# Altium PCB PROC114E3_BRD.PcbDoc (part 6 of 18)
Units mm, origin at the board's own origin, x right, y up, seen from the top; angles counter-clockwise.
Board outline 85 x 155.18 mm, 10 copper layers (TOP, L02_GND1, L03_SIG1, L04_GND2, L05_PWR1, L06_PWR2, L07_GND3, L08_SIG2, L09_GND4, BOTTOM), stack 1.134 mm thick; 1389 components, 1010 nets, 5137 pads, 3263 vias.
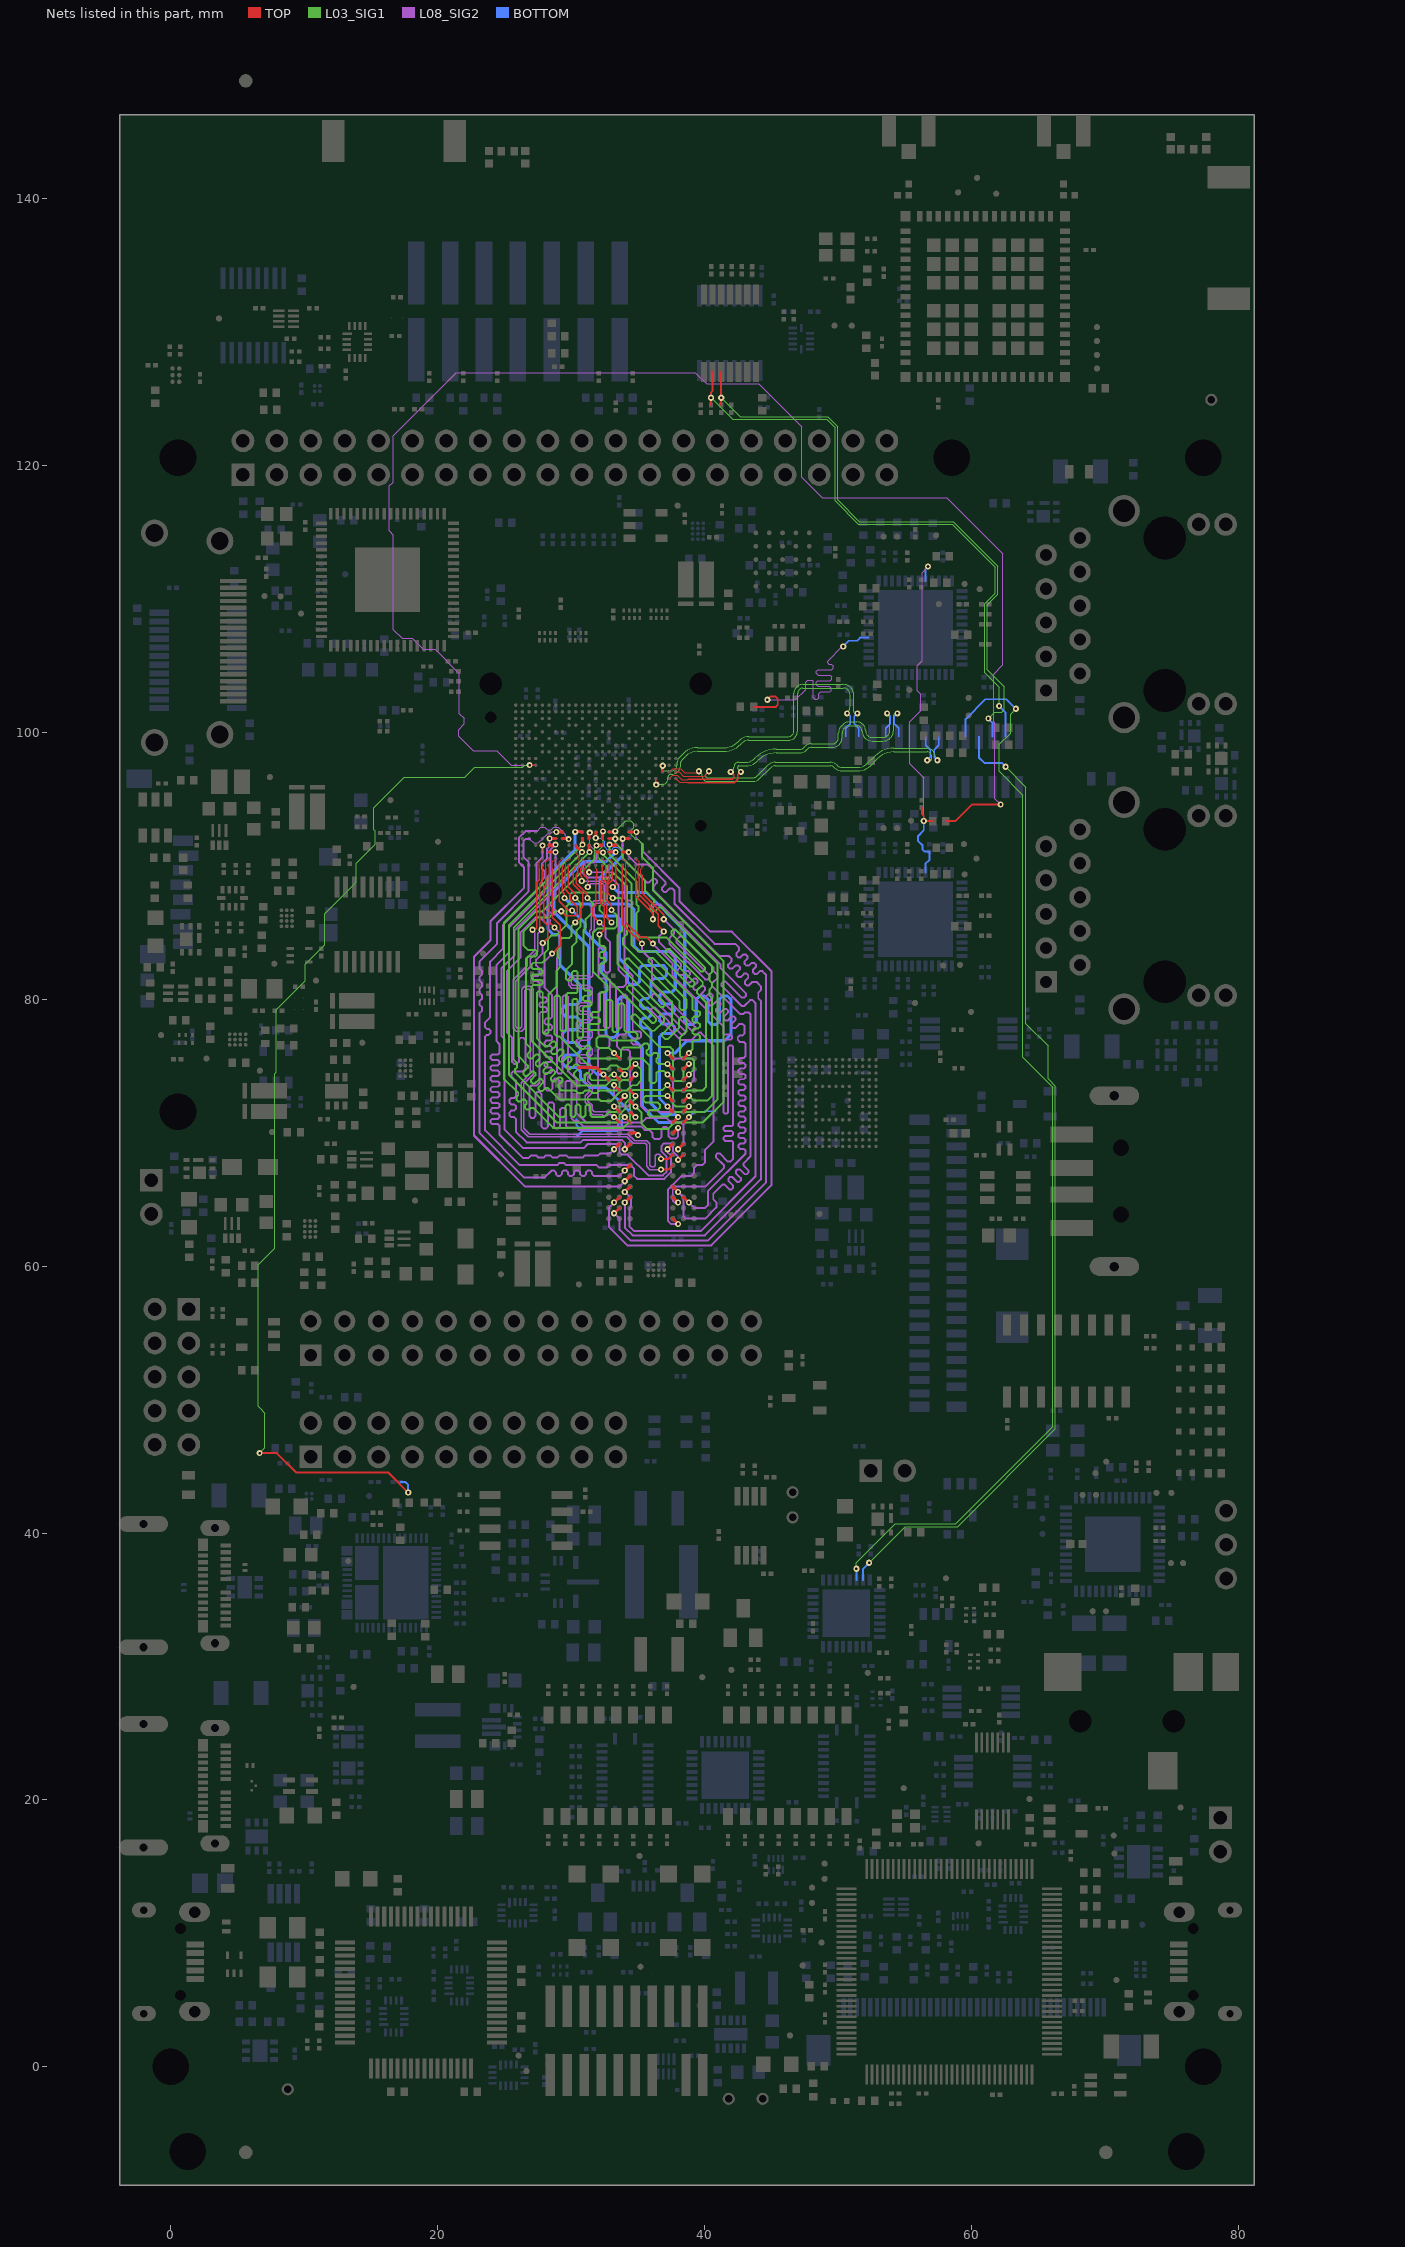
[diagram p14: the nets of this part, all layers, seen from the top]

## Via types
v1: diameter 0.457, hole 0.203, TOP to BOTTOM, 3263 vias

## Nets (pads, with @x,y where several pads share a name; then routed paths per layer and width w, separated by ;. In a path a pad name is that pad's centre, name@x,y a point inside that pad or via, vN(x,y) a via of type N, cw(c..) or ccw(c..) an arc to the next point about the centre after c; other vN are vias at no path point) (continued)
CPSW_RGMII2_TXC:  | length 21.1
  TOP w0.147: 43.684,101.915 45.349,101.915 45.496,102.062 45.496,102.527 45.321,102.702 44.972,102.702 v1(44.718,102.448)
  L08_SIG2 w0.091: v1(44.718,102.448) 46.826,102.448 47.588,103.211 47.588,103.773 47.733,103.918 48.073,103.918 48.165,103.826 48.165,102.599 48.288,102.476 48.461,102.476 48.584,102.599 48.584,102.915 48.707,103.038 49.403,103.038 49.494,103.129 49.494,103.325 49.372,103.448 48.541,103.448 48.397,103.592 48.397,103.766 48.498,103.867 49.419,103.867 49.539,103.987 49.539,104.161 49.414,104.286 48.541,104.286 48.397,104.43 48.397,104.582 48.52,104.705 49.537,104.705 49.643,104.811 49.643,104.986 49.514,105.115 49.324,105.115 49.232,105.207 49.232,105.337 50.34,106.444 v1(50.404,106.445)
  BOTTOM w0.147: v1(50.404,106.445) 50.83,106.87 51.447,106.87 51.674,107.097 52.316,107.097
CPSW_RGMII_INTN:  | length 27.9
  TOP w0.147: 56.302,94.366 56.302,93.897 56.44,93.759 v1(56.44,93.355) 57.1,93.355
  L08_SIG2 w0.091: v1(56.44,93.355) 56.44,96.62 55.408,97.652 55.408,100.802 56.225,101.619 56.225,102.851 55.955,103.122 55.955,105.003 56.311,105.358 56.311,111.984 v1(56.758,112.431)
  BOTTOM w0.147: v1(56.44,93.355) 56.44,92.657 56.021,92.238 56.021,91.857 56.351,91.526 56.351,91.207 56.498,91.06 56.859,91.06 56.859,90.434 56.567,90.142 56.567,89.503 ; 56.567,111.347 56.567,112.24 v1(56.758,112.431)
CPSW_RGMII_INTN/PRU_INTN:  | length 191.2
  TOP w0.102: v1(26.901,97.545) 27.361,97.545
  TOP w0.147: v1(6.669,45.984) 7.964,45.984 9.412,44.536 16.301,44.536 v1(17.803,43.035) ; 58.08,93.355 58.813,93.355 60.061,94.604 v1(62.206,94.604)
  L03_SIG1 w0.091: v1(6.669,45.984) 7.061,46.377 7.061,48.984 6.674,49.371 6.561,49.484 6.561,60.097 7.791,61.328 7.791,74.41 7.908,74.527 7.908,79.219 10.081,81.392 10.081,82.62 11.544,84.083 11.544,86.423 13.908,88.787 13.908,90.198 15.32,91.61 15.32,92.635 15.234,92.721 15.234,94.356 17.514,96.637 22.041,96.637 22.798,97.394 26.379,97.394 26.531,97.545 v1(26.901,97.545)
  L08_SIG2 w0.091: v1(26.901,97.545) 25.523,97.545 24.443,98.624 22.659,98.624 21.576,99.707 21.576,100.214 21.995,100.633 21.995,101.05 21.646,101.398 21.646,104.393 19.82,106.219 18.941,106.219 18.11,107.05 17.349,107.05 16.692,107.707 16.692,114.791 16.383,115.1 16.383,118.478 16.672,118.767 16.672,122.249 21.397,126.975 39.315,126.975 40.162,126.128 44.062,126.128 47.282,122.907 47.282,119.131 48.822,117.591 58.172,117.591 62.376,113.387 62.376,105.06 61.685,104.369 61.685,100.786 61.777,100.694 61.777,95.033 v1(62.206,94.604)
  BOTTOM w0.147: 17.228,43.825 17.591,43.825 17.803,43.613 v1(17.803,43.035)
CSI0_RXCLKN:  | length 24.2
  TOP w0.081: 37.361,97.045 37.612,97.296 38.228,97.296 38.527,96.996 39.502,96.996 39.583,97.078 v1(39.583,97.09)
  L03_SIG1 w0.081: v1(39.583,97.09) 39.804,96.869 cw(c39.746,96.812) 39.828,96.812 39.828,96.73 ccw(c40.224,96.73) 40.224,96.335 43.677,96.335 ccw(c43.677,96.975) 44.129,96.522 44.956,97.349 cw(c45.327,96.978) 45.328,97.503 49.415,97.503 cw(c49.415,97.087) 49.709,97.381 49.747,97.343 ccw(c50.299,97.895) 50.299,97.114 51.471,97.114 ccw(c51.471,98.499) 52.449,97.519 52.966,98.036 cw(c54.193,96.808) 54.193,98.544 56.694,98.544 cw(c56.694,98.201) 57.038,98.201 57.038,98.057 cw(c56.839,98.057) v1(56.699,97.917)
  BOTTOM w0.108: 56.58,99.675 56.58,99.055 56.935,98.7 56.935,98.153 v1(56.699,97.917)
CSI0_RXCLKP:  | length 24.2
  TOP w0.081: 37.86,97.045 38.107,97.045 38.419,96.733 39.988,96.733 v1(40.345,97.09)
  L03_SIG1 w0.081: v1(40.345,97.09) 40.124,96.869 ccw(c40.181,96.812) 40.1,96.812 40.1,96.73 ccw(c40.224,96.73) 40.224,96.606 43.677,96.606 ccw(c43.677,96.974) 43.937,96.714 44.764,97.542 cw(c45.327,96.978) 45.328,97.775 49.415,97.775 cw(c49.415,97.087) 49.901,97.573 49.939,97.535 ccw(c50.299,97.895) 50.299,97.386 51.471,97.386 ccw(c51.471,98.498) 52.257,97.712 52.774,98.228 cw(c54.193,96.808) 54.193,98.816 56.694,98.816 cw(c56.694,98.201) 57.31,98.201 ccw(c57.63,98.201) 57.403,97.974 v1(57.461,97.917)
  BOTTOM w0.108: v1(57.461,97.917) 57.224,98.153 57.224,98.7 57.58,99.056 57.58,99.675
CSI0_RXN0:  | length 23.8
  TOP w0.108: 36.36,96.545 36.36,96.118 v1(36.39,96.088)
  L03_SIG1 w0.081: v1(36.39,96.088) cw(c36.476,96.002) 36.476,96.124 36.92,96.124 ccw(c36.92,96.454) 37.25,96.454 37.25,96.606 cw(c37.504,96.606) 37.504,96.86 ccw(c37.504,97.597) 38.241,97.597 38.241,97.781 cw(c38.41,97.781) 38.291,97.9 38.615,98.224 cw(c39.486,97.353) 39.486,98.585 41.441,98.585 ccw(c41.442,100.419) 42.738,99.122 42.813,99.197 cw(c43.322,98.688) 43.322,99.408 46.27,99.408 ccw(c46.27,100.117) 46.979,100.117 46.979,102.922 cw(c47.381,102.922) 47.381,103.325 50.414,103.325 cw(c50.414,102.82) 50.919,102.82 50.919,101.964 cw(c50.169,101.964) v1(50.699,101.434)
  BOTTOM w0.108: 50.58,99.675 50.58,100.295 50.935,100.65 50.935,101.197 v1(50.699,101.434)
CSI0_RXN1:  | length 23.8
  TOP w0.081: 37.361,96.545 37.611,96.795 37.982,96.795 38.314,96.463 38.721,96.463 38.759,96.501 38.779,96.501
  TOP w0.108: 38.779,96.501 42.1,96.501 42.208,96.609 42.208,96.811 v1(41.972,97.047)
  L03_SIG1 w0.081: v1(41.972,97.047) 42.193,97.268 ccw(c42.135,97.326) 42.217,97.326 42.217,97.407 cw(c42.57,97.407) 42.57,97.76 43.105,97.76 ccw(c43.105,98.677) 43.753,98.029 43.818,98.094 cw(c45.378,96.532) 45.378,98.74 47.171,98.74 ccw(c47.171,99.148) 47.459,98.859 47.566,98.967 cw(c47.999,98.534) 47.999,99.146 49.576,99.146 ccw(c49.576,99.612) 50.042,99.612 50.042,99.951 cw(c50.789,99.952) 50.261,100.48 50.364,100.583 cw(c50.86,100.087) 50.859,100.788 51.426,100.788 cw(c51.426,100.138) 52.077,100.138 ccw(c52.593,100.137) 52.593,99.621 53.366,99.621 ccw(c53.366,100.162) 53.907,100.162 53.907,100.945 ccw(c53.229,100.945) 53.709,101.424 v1(53.699,101.434)
  BOTTOM w0.108: 53.58,99.675 53.58,100.295 53.935,100.65 53.935,101.197 v1(53.699,101.434)
CSI0_RXP0:  | length 23.8
  TOP w0.108: 36.861,97.046 36.861,97.487 v1(36.876,97.502)
  L03_SIG1 w0.081: v1(36.876,97.502) 36.817,97.443 ccw(c36.946,97.314) 36.946,97.132 37.504,97.132 ccw(c37.504,97.597) 37.969,97.597 37.969,97.781 cw(c38.41,97.781) 38.098,98.093 38.423,98.417 cw(c39.485,97.353) 39.485,98.857 41.441,98.857 ccw(c41.441,100.419) 42.546,99.315 42.621,99.389 cw(c43.322,98.688) 43.322,99.68 46.27,99.68 ccw(c46.27,100.117) 46.707,100.117 46.707,102.922 cw(c47.381,102.922) 47.381,103.596 50.414,103.596 cw(c50.414,102.82) 51.19,102.82 51.19,101.604 ccw(c51.361,101.604) 51.361,101.434 v1(51.461,101.434)
  BOTTOM w0.108: v1(51.461,101.434) 51.225,101.197 51.225,100.65 51.58,100.295 51.58,99.675
CSI0_RXP1:  | length 23.8
  TOP w0.081: 37.86,96.545 38.155,96.25 38.721,96.25 38.759,96.212 38.779,96.212
  TOP w0.108: 38.779,96.212 42.22,96.212 42.498,96.489 42.498,96.811 v1(42.734,97.047)
  L03_SIG1 w0.081: v1(42.734,97.047) 42.512,97.268 cw(c42.57,97.326) 42.489,97.326 42.489,97.407 cw(c42.57,97.407) 42.57,97.489 43.105,97.489 ccw(c43.105,98.677) 43.945,97.836 44.01,97.901 cw(c45.379,96.532) 45.378,98.468 47.171,98.468 ccw(c47.171,99.148) 47.651,98.667 47.759,98.775 cw(c48,98.534) 48,98.875 49.576,98.875 ccw(c49.576,99.612) 50.314,99.612 50.314,99.952 cw(c50.789,99.952) 50.453,100.288 50.556,100.391 cw(c50.86,100.087) 50.86,100.517 51.426,100.517 cw(c51.426,100.138) 51.805,100.138 ; 51.805,100.137 ccw(c52.593,100.138) 52.593,99.35 53.366,99.35 ccw(c53.366,100.162) 54.179,100.162 54.179,101.236 cw(c54.377,101.236) 54.377,101.434 v1(54.461,101.434)
  BOTTOM w0.108: v1(54.461,101.434) 54.225,101.197 54.225,100.65 54.58,100.295 54.58,99.675
CSI_GPIO1:  | length 82.2
  L03_SIG1 w0.091: v1(51.392,37.322) 51.392,37.777 54.305,40.691 58.852,40.691 66.12,47.959 66.12,73.417 63.867,75.669 63.867,95.31 62.098,97.079 62.098,99.096 62.941,99.939 62.941,101.374 v1(63.34,101.773)
  BOTTOM w0.147: 51.392,36.471 v1(51.392,37.322) ; 59.58,99.675 59.58,101.003 61.064,102.488 62.625,102.488 v1(63.34,101.773)
CSI_GPIO2:  | length 74.6
  L03_SIG1 w0.091: v1(52.348,37.775) 55.038,40.464 58.975,40.464 66.313,47.803 66.313,73.497 65.77,74.039 65.77,76.501 64.097,78.174 64.097,95.909 v1(62.58,97.426)
  BOTTOM w0.147: 51.891,36.471 51.891,37.318 v1(52.348,37.775) ; 60.58,99.675 60.58,98.117 60.986,97.711 62.294,97.711 v1(62.58,97.426)
CSI_I2C2_SCL:  | length 46.2
  TOP w0.147: 41.26,124.532 v1(41.26,125.079) 41.26,127.021
  L03_SIG1 w0.091: v1(41.26,125.079) 42.687,123.652 49.252,123.652 50.001,122.903 50.001,117.426 51.624,115.804 58.645,115.804 61.983,112.465 61.983,110.358 61.207,109.582 61.207,104.706 62.484,103.429 62.484,101.727 62.281,101.524 61.761,101.524 v1(61.277,101.04)
  BOTTOM w0.147: v1(61.277,101.04) 61.58,100.738 61.58,99.675
CSI_I2C2_SDA:  | length 46
  TOP w0.147: 40.498,124.532 v1(40.498,125.079) 40.498,125.483 40.61,125.595 40.61,127.021
  L03_SIG1 w0.091: v1(40.498,125.079) 42.118,123.458 49.172,123.458 49.808,122.823 49.808,117.346 51.544,115.611 58.565,115.611 61.79,112.385 61.79,110.438 61.014,109.662 61.014,104.468 62.089,103.392 v1(62.089,101.979)
  BOTTOM w0.147: v1(62.089,101.979) 62.58,101.488 62.58,99.675
DDR_A0:  | length 35.4
  TOP w0.102: 29.86,90.045 29.793,89.978 29.793,88.423 30.322,87.895 v1(30.322,87.599)
  TOP w0.23: v1(37.234,74.366) 37.634,73.966
  L03_SIG1 w0.147: v1(30.322,87.599) 30.731,87.189 30.731,85.488 30.42,85.176 30.42,84.308 30.086,83.975 30.086,82.669 29.638,82.221 29.638,81.526 29.746,81.418 29.976,81.418 30.08,81.523 30.08,82.017 30.174,82.111 30.403,82.111 30.494,82.019 30.494,80.575 30.393,80.473 29.768,80.473 29.638,80.344 29.638,77.726 29.534,77.621 29.31,77.621 29.196,77.735 29.196,80.144 29.067,80.273 28.884,80.273 28.754,80.144 28.754,77.419 28.978,77.196 29.15,77.196 31.58,74.766 32.706,74.766 32.989,75.048 33.444,75.048 33.727,74.766 34.2,74.766 34.434,75 34.434,75.405 34.594,75.565 35.333,75.565 35.888,75.011 35.888,73.862 36.035,73.715 36.258,73.715 36.406,73.862 36.406,74.475 36.553,74.623 36.977,74.623 v1(37.234,74.366)
DDR_A1:  | length 35.4
  TOP w0.081: 29.611,89.905 29.611,90.295 29.86,90.545
  TOP w0.102: v1(29.275,86.599) 29.605,86.269 30.316,86.269 30.469,86.421 30.469,86.941 29.961,87.449 29.961,87.851 29.557,88.255 29.557,89.851 29.611,89.905
  TOP w0.23: 34.434,73.966 v1(34.834,74.366)
  L03_SIG1 w0.147: v1(29.275,86.599) 28.842,86.599 28.384,86.142 27.497,86.142 26.45,85.095 26.45,84.024 26.77,83.704 27.324,83.704 27.471,83.557 27.471,83.348 27.324,83.201 26.77,83.201 26.615,83.046 26.615,76.702 26.961,76.356 26.961,76.133 26.747,75.919 26.747,75.71 26.91,75.547 27.076,75.547 27.377,75.848 27.544,75.848 27.661,75.73 27.661,75.564 27.36,75.263 27.36,75.097 27.478,74.979 27.644,74.979 27.945,75.28 28.111,75.28 28.229,75.162 28.229,74.996 27.928,74.695 27.928,74.529 28.046,74.411 28.212,74.411 28.513,74.712 28.679,74.712 28.797,74.594 28.797,74.428 28.496,74.127 28.496,73.961 28.614,73.843 28.78,73.843 29.081,74.144 29.247,74.144 29.365,74.026 29.365,73.86 29.064,73.559 29.064,73.393 29.291,73.166 30.308,73.166 30.494,72.979 30.892,72.979 31.079,73.166 31.396,73.166 31.582,72.979 31.981,72.979 32.168,73.166 33.399,73.166 33.633,73.4 33.633,73.543 33.634,73.731 33.868,73.965 34.434,73.965 v1(34.834,74.366)
DDR_A2:  | length 35.4
  TOP w0.081: 30.36,91.045 30.36,90.95 30.611,90.699 30.611,89.909 30.522,89.821
  TOP w0.102: 30.522,89.821 30.522,89.477 30.392,89.347 30.392,88.699 31.221,87.871 31.221,87.604 v1(31.226,87.599)
  TOP w0.23: v1(37.234,75.165) 37.634,74.765
  L03_SIG1 w0.147: v1(31.226,87.599) 31.637,87.188 31.637,86.535 31.106,86.004 31.106,85.346 30.926,85.165 30.926,80.785 31.043,80.667 31.415,80.667 31.533,80.549 31.533,80.383 31.415,80.266 31.019,80.266 30.902,80.148 30.902,79.982 31.019,79.864 31.415,79.864 31.533,79.747 31.533,79.581 31.415,79.463 31.019,79.463 30.902,79.346 30.902,77.191 30.784,77.073 30.618,77.073 30.5,77.191 30.5,79.931 30.411,80.02 30.203,80.02 30.099,79.916 30.099,76.918 30.747,76.269 30.914,76.269 31.173,76.528 31.339,76.528 31.457,76.41 31.457,76.244 31.198,75.985 31.198,75.819 31.452,75.565 33.562,75.565 33.758,75.761 33.758,76.213 33.938,76.393 35.203,76.393 35.496,76.686 35.705,76.686 35.853,76.539 35.853,76.33 35.662,76.139 35.662,75.945 35.812,75.794 36.021,75.794 36.2,75.973 36.434,75.973 36.538,75.869 36.538,75.66 36.404,75.526 36.404,75.318 36.557,75.165 v1(37.234,75.165)
DDR_A3:  | length 35.4
  TOP w0.216: 34.434,73.165 v1(34.834,72.765)
  TOP w0.23: v1(30.86,91.587) 30.86,92.045
  L03_SIG1 w0.147: v1(30.86,91.587) 30.846,91.587 24.977,85.719 24.977,74.056 26.051,72.982 26.051,72.799 25.918,72.666 25.918,72.482 26.047,72.353 26.23,72.353 26.364,72.486 26.547,72.486 26.676,72.357 26.676,72.174 26.543,72.04 26.543,71.857 26.672,71.728 26.856,71.728 26.989,71.861 27.172,71.861 28.669,70.364 33.923,70.364 34.434,70.875 34.434,72.138 34.834,72.538 v1(34.834,72.765)
DDR_A4:  | length 35.4
  TOP w0.203: 30.36,91.545 30.36,91.499 v1(30.83,91.029)
  TOP w0.23: v1(37.234,73.566) 37.634,73.165
  L03_SIG1 w0.147: v1(30.83,91.029) 25.345,85.545 25.345,74.365 28.945,70.766 33.425,70.766 33.634,70.974 33.634,71.347 34.07,71.783 34.07,72.212 34.434,72.575 34.434,72.967 34.671,73.204 36.872,73.204 v1(37.234,73.566)
DDR_A5:  | length 35.4
  TOP w0.081: 30.321,89.806 30.321,90.006 30.36,90.045
  TOP w0.102: v1(30.322,85.77) 30.703,86.151 30.703,86.77 30.865,86.933 30.865,87.927 30.187,88.606 30.187,89.671 30.321,89.806
  TOP w0.23: v1(33.234,74.366) 33.634,73.966
  L03_SIG1 w0.147: v1(30.322,85.77) 30.024,85.473 30.024,84.756 29.876,84.609 29.342,84.609 29.16,84.427 29.16,83.841 28.995,83.676 28.995,83.152 29.159,82.988 29.159,82.386 28.926,82.152 28.926,80.978 28.328,80.38 28.328,77.53 28.223,77.426 27.974,77.426 27.885,77.514 27.885,80.479 27.784,80.58 27.538,80.58 27.443,80.485 27.443,77.084 28.072,76.455 28.238,76.455 28.606,76.822 28.772,76.822 28.89,76.704 28.89,76.538 28.522,76.171 28.522,76.005 28.64,75.887 28.806,75.887 29.174,76.254 29.34,76.254 29.458,76.136 29.458,75.97 29.09,75.603 29.09,75.437 29.208,75.319 29.374,75.319 29.742,75.686 29.908,75.686 30.026,75.569 30.026,75.402 29.658,75.035 29.658,74.869 29.776,74.751 29.942,74.751 30.31,75.118 30.476,75.118 30.594,75.001 30.594,74.834 30.226,74.467 30.226,74.301 30.594,73.933 30.91,73.933 31.027,74.051 31.027,74.356 31.145,74.474 31.311,74.474 31.429,74.356 31.429,74.051 31.546,73.933 32.586,73.933 33.018,74.366 v1(33.234,74.366)
DDR_A6:  | length 35.4
  TOP w0.081: 32.86,90.545 33.109,90.296 33.109,89.902
  TOP w0.102: 33.109,89.902 33.109,88.939 32.774,88.603 32.774,87.959 v1(33.135,87.599)
  TOP w0.23: 38.434,73.966 v1(38.834,74.366)
  L03_SIG1 w0.147: v1(33.135,87.599) 33.68,87.599 33.828,87.451 33.828,85.14 33.484,84.795 33.484,82.654 36.732,79.405 36.897,79.405 37.037,79.545 37.037,79.726 34.023,82.74 34.023,82.906 34.171,83.053 34.335,83.053 37.563,79.826 37.563,78.116 36.834,77.387 36.834,77.24 37.055,77.019 37.263,77.019 38.111,77.868 38.111,78.514 38.259,78.661 38.498,78.661 38.655,78.504 38.655,77.591 38.167,77.103 38.167,75.777 38.379,75.565 39.043,75.565 39.234,75.375 39.234,74.765 v1(38.834,74.366)
DDR_A7:  | length 35.4
  TOP w0.081: 32.36,90.545 32.611,90.295 32.611,89.87
  TOP w0.102: 32.611,89.87 32.611,88.958 32.408,88.755 32.408,87.323 32.676,87.056 32.676,86.131 v1(33.036,85.77)
  TOP w0.23: 33.634,74.765 v1(34.034,74.365)
  L03_SIG1 w0.147: v1(33.036,85.77) 32.145,86.661 32.145,86.98 32.574,87.409 32.574,87.852 32.427,88 30.065,88 29.917,87.852 29.917,87.216 29.681,86.98 29.681,85.578 28.873,84.77 28.513,84.77 28.289,84.547 28.289,83.733 28.031,83.476 28.031,82.907 27.863,82.738 27.189,82.738 27.042,82.591 27.042,82.382 27.16,82.265 27.744,82.265 27.861,82.147 27.861,81.981 27.744,81.863 27.16,81.863 27.042,81.746 27.042,81.579 27.16,81.462 27.744,81.462 27.861,81.344 27.861,81.178 27.744,81.061 27.16,81.061 27.042,80.943 27.042,76.909 30.42,73.532 32.609,73.532 33.043,73.966 33.451,73.966 33.851,74.365 v1(34.034,74.365)
DDR_A8:  | length 35.4
  TOP w0.102: v1(32.132,84.856) 32.493,85.216 32.493,86.927 32.225,87.195 32.225,88.831 32.36,88.966 32.36,90.045
  TOP w0.23: 38.434,74.765 v1(38.834,75.165)
  L03_SIG1 w0.147: v1(32.132,84.856) 32.132,84.126 32.262,83.996 32.454,83.996 32.583,83.866 32.583,83.684 32.454,83.554 32.262,83.554 32.132,83.425 32.132,83.242 32.262,83.112 32.454,83.112 32.583,82.983 32.583,82.8 32.454,82.67 32.262,82.67 32.132,82.541 32.132,82.182 36.074,78.24 36.239,78.24 36.382,78.384 36.382,78.557 34.204,80.736 34.204,80.916 34.334,81.046 34.519,81.046 36.985,78.579 36.985,78.371 36.256,77.641 36.047,77.641 34.842,78.847 34.658,78.847 34.529,78.718 34.529,78.535 36.643,76.421 37.448,76.421 37.634,76.236 37.634,74.017 37.781,73.87 38.287,73.87 38.434,74.017 38.434,74.766 v1(38.834,75.165)
DDR_A9:  | length 35.4
  TOP w0.23: v1(31.921,91.531) 31.936,91.545 32.36,91.545 ; 34.434,74.765 v1(34.834,75.165)
  L03_SIG1 w0.081: 31.778,90.8 31.778,91.388 v1(31.921,91.531)
  L03_SIG1 w0.147: 31.778,90.8 31.778,90.518 27.846,86.586 27.382,86.586 26.082,85.286 26.082,75.716 26.766,75.033 26.766,74.867 26.44,74.541 26.44,74.375 26.558,74.257 26.724,74.257 27.049,74.583 27.216,74.583 27.333,74.465 27.333,74.299 27.008,73.973 27.008,73.807 27.126,73.689 27.292,73.689 27.617,74.015 27.784,74.015 27.901,73.897 27.901,73.731 27.576,73.405 27.576,73.239 27.694,73.121 27.86,73.121 28.083,73.344 28.292,73.344 29.138,72.498 32.136,72.498 32.268,72.366 32.982,72.366 33.782,73.166 34.2,73.166 34.591,73.557 34.921,73.557 35.244,73.88 35.244,74.756 v1(34.834,75.165)
DDR_A10:  | length 35.4
  TOP w0.23: 32.86,92.045 33.302,92.045 v1(33.318,92.029) ; v1(37.234,72.765) 37.634,72.366
  L03_SIG1 w0.147: v1(33.318,92.029) 33.318,91.731 33.849,91.2 33.849,90.597 35.552,88.894 35.552,88.126 36.216,87.462 36.216,87.243 35.966,86.994 35.966,86.775 36.121,86.62 36.34,86.62 36.589,86.87 36.808,86.87 40.998,82.68 40.998,72.503 40.061,71.566 37.617,71.566 37.264,71.213 35.931,71.213 35.783,71.36 35.783,71.569 35.93,71.716 36.516,71.716 36.664,71.863 36.664,72.115 36.516,72.262 35.597,72.262 35.45,72.41 35.45,72.618 35.597,72.765 v1(37.234,72.765)
DDR_A11:  | length 35.4
  TOP w0.23: 32.36,92.045 32.36,92.524 32.404,92.567 v1(32.404,92.587) ; 38.434,75.566 v1(38.834,75.966)
  L03_SIG1 w0.081: 32.135,90.533 32.028,90.64 32.028,91.12 32.404,91.496 v1(32.404,92.587)
  L03_SIG1 w0.147: 32.135,90.533 32.689,89.979 32.689,89.76 32.314,89.385 32.314,89.166 32.469,89.012 32.688,89.012 33.063,89.387 33.282,89.387 34.185,88.483 34.185,84.863 33.906,84.585 33.906,84.093 38.122,79.878 38.122,79.353 38.269,79.206 38.511,79.206 38.659,79.353 38.659,79.966 35.828,82.797 35.828,82.98 35.958,83.11 36.141,83.11 39.107,80.143 39.107,79.271 39.237,79.141 39.54,79.141 39.67,79.012 39.67,78.829 39.54,78.699 39.237,78.699 39.107,78.57 39.107,78.387 39.237,78.257 39.54,78.257 39.67,78.128 39.67,77.945 39.54,77.815 39.237,77.815 39.107,77.686 39.107,77.503 39.237,77.373 39.54,77.373 39.67,77.244 39.67,77.061 39.54,76.931 39.237,76.931 39.107,76.802 39.107,76.239 v1(38.834,75.966)
DDR_A12:  | length 35.4
  TOP w0.23: 32.86,92.545 33.253,92.545 33.295,92.587 v1(33.318,92.587) ; 34.434,72.366 v1(34.834,71.966)
  L03_SIG1 w0.081: v1(33.318,92.587) 34.122,93.391 34.479,93.391 34.718,93.152 34.718,92.862 34.525,92.669 34.525,92.334 34.87,91.989 34.997,91.989 35.323,91.664
  L03_SIG1 w0.147: v1(34.834,71.966) 35.274,71.525 35.274,70.707 35.705,70.277 37.258,70.277 37.747,70.765 39.885,70.765 41.44,72.32 41.44,82.864 36.135,88.168 36.135,89.86 35.323,90.673 35.323,91.664
DDR_A13:  | length 35.4
  TOP w0.102: 32.86,90.045 32.86,88.949 32.591,88.679 32.591,87.498 33.036,87.053 v1(33.036,86.684)
  TOP w0.23: v1(33.234,75.966) 33.634,75.566
  L03_SIG1 w0.147: v1(33.036,86.684) 33.466,86.255 33.466,85.5 33.274,85.308 32.001,85.308 31.665,84.972 31.665,82.05 32.742,80.974 32.742,80.698 32.595,80.55 32.315,80.55 32.168,80.403 32.168,79.15 32.05,79.032 31.628,79.032 31.51,78.915 31.51,78.749 31.628,78.631 32.05,78.631 32.168,78.513 32.168,78.265 32.05,78.147 31.388,78.147 31.27,78.029 31.27,77.811 31.388,77.694 32.521,77.694 32.634,77.807 32.634,79.841 32.742,79.949 32.982,79.949 33.127,79.804 33.127,77.643 33.222,77.547 33.464,77.547 33.569,77.652 33.569,79.563 33.696,79.691 33.882,79.691 34.011,79.562 34.011,77.666 34.14,77.536 34.82,77.536 34.987,77.369 34.987,77.064 34.84,76.916 33.073,76.916 32.769,77.221 32.079,77.221 31.914,77.056 31.914,76.515 32.063,76.366 32.833,76.366 v1(33.234,75.966)